# Altium PCB FX_PCB.PcbDoc (part 5 of 7)
Units mil, origin at the board's own origin, x right, y up, seen from the top; angles counter-clockwise.
Board outline 5533 x 3907 mil, 2 copper layers (Top Layer, Bottom Layer); 117 components, 100 nets, 439 pads, 176 vias.
Unrouted connection lines stored in the file: 106.
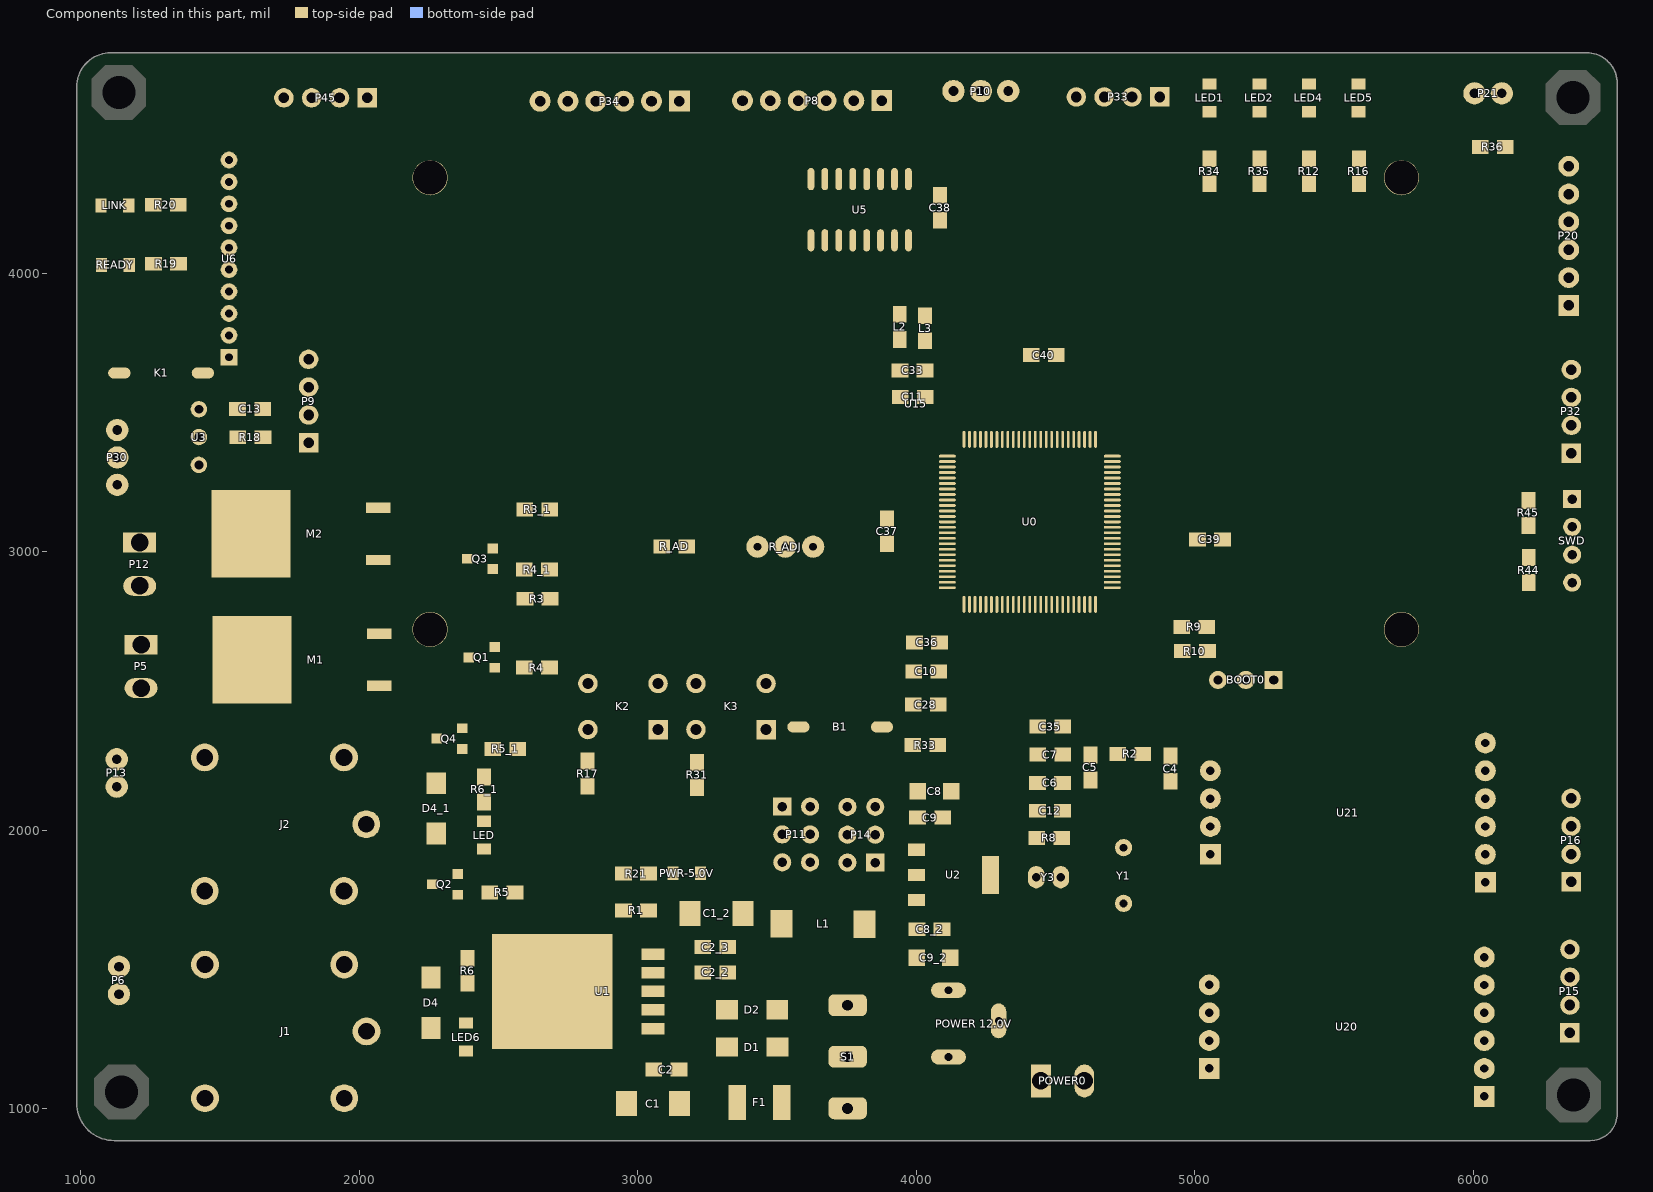
[diagram p5: the components of this part, seen from the top]

## Via types
v1: diameter 30, hole 15, Top Layer to Bottom Layer, 104 vias
v2: diameter 40, hole 18, Top Layer to Bottom Layer, 62 vias
v3: diameter 50, hole 28, Top Layer to Bottom Layer, 7 vias
v4: diameter 50, hole 23, Top Layer to Bottom Layer, 3 vias

## Nets (pads, with @x,y where several pads share a name; then routed paths per layer and width w, separated by ;. In a path a pad name is that pad's centre, name@x,y a point inside that pad or via, vN(x,y) a via of type N, cw(c..) or ccw(c..) an arc to the next point about the centre after c; other vN are vias at no path point) (continued)
copper on no net: (continued)
  Top Layer w0.85: 3174.7,3604.75 3179.8,3604.75 ; 3174.7,3624.3 3178.95,3624.3 ; 3174.7,3660 3178.95,3660 ; 3174.7,3688.9 3180.65,3688.9 ; 3174.7,3689.75 3179.8,3689.75 ; 3174.7,3731.4 3179.8,3731.4 ; 3175.55,3558.85 3180.65,3558.85 ; 3175.55,3559.7 3181.5,3559.7 ; 3175.55,3605.6 3180.65,3605.6 ; 3175.55,3606.45 3180.65,3606.45 ; 3175.55,3622.6 3179.8,3622.6 ; 3175.55,3623.45 3179.8,3623.45 ; 3175.55,3658.3 3179.8,3658.3 ; 3175.55,3659.15 3178.95,3659.15 ; 3175.55,3688.05 3181.5,3688.05 ; 3175.55,3729.7 3180.65,3729.7 ; 3175.55,3730.55 3179.8,3730.55 ; 3176.4,3560.55 3181.5,3560.55 ; 3176.4,3607.3 3181.5,3607.3 ; 3176.4,3608.15 3182.35,3608.15 ; 3176.4,3621.75 3180.65,3621.75 ; 3176.4,3657.45 3180.65,3657.45 ; 3176.4,3686.35 3182.35,3686.35 ; 3176.4,3687.2 3181.5,3687.2 ; 3176.4,3728 3181.5,3728 ; 3176.4,3728.85 3180.65,3728.85 ; 3177.25,3561.4 3182.35,3561.4 ; 3177.25,3562.25 3183.2,3562.25 ; 3177.25,3609 3182.35,3609 ; 3177.25,3620.05 3181.5,3620.05 ; 3177.25,3620.9 3180.65,3620.9 ; 3177.25,3655.75 3181.5,3655.75 ; 3177.25,3656.6 3180.65,3656.6 ; 3177.25,3684.65 3183.2,3684.65 ; 3177.25,3685.5 3182.35,3685.5 ; 3177.25,3726.3 3182.35,3726.3 ; 3177.25,3727.15 3182.35,3727.15 ; 3178.1,3563.1 3183.2,3563.1 ; 3178.1,3563.95 3184.05,3563.95 ; 3178.1,3609.85 3183.2,3609.85 ; 3178.1,3610.7 3187.45,3610.7 ; 3178.1,3618.35 3182.35,3618.35 ; 3178.1,3619.2 3182.35,3619.2 ; 3178.1,3654.05 3182.35,3654.05 ; 3178.1,3654.9 3182.35,3654.9 ; 3178.1,3683.8 3183.2,3683.8 ; 3178.1,3725.45 3183.2,3725.45 ; 3178.95,3564.8 3184.05,3564.8 ; 3178.95,3565.65 3184.9,3565.65 ; 3178.95,3611.55 3186.6,3611.55 ; 3178.95,3612.4 3185.75,3612.4 ; 3178.95,3617.5 3183.2,3617.5 ; 3178.95,3653.2 3183.2,3653.2 ; 3178.95,3682.1 3184.9,3682.1 ; 3178.95,3682.95 3184.05,3682.95 ; 3178.95,3723.75 3184.05,3723.75 ; 3178.95,3724.6 3183.2,3724.6 ; 3179.8,3566.5 3185.75,3566.5 ; 3179.8,3613.25 3185.75,3613.25 ; 3179.8,3615.8 3184.05,3615.8 ; 3179.8,3616.65 3183.2,3616.65 ; 3179.8,3651.5 3184.05,3651.5 ; 3179.8,3652.35 3183.2,3652.35 ; 3179.8,3679.55 3185.75,3679.55 ; 3179.8,3680.4 3185.75,3680.4 ; 3179.8,3681.25 3184.9,3681.25 ; 3179.8,3722.05 3184.9,3722.05 ; 3179.8,3722.9 3184.05,3722.9 ; 3180.65,3567.35 3185.75,3567.35 ; 3180.65,3568.2 3186.6,3568.2 ; 3180.65,3614.1 3184.9,3614.1 ; 3180.65,3614.95 3184.9,3614.95 ; 3180.65,3649.8 3184.9,3649.8 ; 3180.65,3650.65 3184.9,3650.65 ; 3180.65,3677.85 3181.5,3677.85 ; 3180.65,3678.7 3186.6,3678.7 ; 3180.65,3720.35 3185.75,3720.35 ; 3180.65,3721.2 3185.75,3721.2 ; 3181.5,3569.05 3187.45,3569.05 ; 3181.5,3569.9 3187.45,3569.9 ; 3181.5,3648.95 3185.75,3648.95 ; 3181.5,3719.5 3186.6,3719.5 ; 3182.35,3570.75 3188.3,3570.75 ; 3182.35,3571.6 3188.3,3571.6 ; 3182.35,3647.25 3186.6,3647.25 ; 3182.35,3648.1 3186.6,3648.1 ; 3182.35,3676.15 3188.3,3676.15 ; 3182.35,3677 3187.45,3677 ; 3182.35,3677.85 3186.6,3677.85 ; 3182.35,3717.8 3187.45,3717.8 ; 3182.35,3718.65 3186.6,3718.65 ; 3183.2,3572.45 3189.15,3572.45 ; 3183.2,3645.55 3187.45,3645.55 ; 3183.2,3646.4 3187.45,3646.4 ; 3183.2,3674.45 3189.15,3674.45 ; 3183.2,3675.3 3188.3,3675.3 ; 3183.2,3716.1 3188.3,3716.1 ; 3183.2,3716.95 3187.45,3716.95 ; 3184.05,3573.3 3190,3573.3 ; 3184.05,3574.15 3190,3574.15 ; 3184.05,3609 3188.3,3609 ; 3184.05,3609.85 3187.45,3609.85 ; 3184.05,3644.7 3188.3,3644.7 ; 3184.05,3672.75 3190,3672.75 ; 3184.05,3673.6 3189.15,3673.6 ; 3184.05,3714.4 3189.15,3714.4 ; 3184.05,3715.25 3189.15,3715.25 ; 3184.9,3575 3190.85,3575 ; 3184.9,3575.85 3190.85,3575.85 ; 3184.9,3607.3 3189.15,3607.3 ; 3184.9,3608.15 3189.15,3608.15 ; 3184.9,3643 3189.15,3643 ; 3184.9,3643.85 3189.15,3643.85 ; 3184.9,3671.9 3190,3671.9 ; 3184.9,3713.55 3190,3713.55 ; 3185.75,3576.7 3191.7,3576.7 ; 3185.75,3606.45 3190,3606.45 ; 3185.75,3641.3 3190,3641.3 ; 3185.75,3642.15 3190,3642.15 ; 3185.75,3670.2 3191.7,3670.2 ; 3185.75,3671.05 3190.85,3671.05 ; 3185.75,3711.85 3190.85,3711.85 ; 3185.75,3712.7 3190,3712.7 ; 3186.6,3577.55 3192.55,3577.55 ; 3186.6,3578.4 3192.55,3578.4 ; 3186.6,3604.75 3190.85,3604.75 ; 3186.6,3605.6 3190,3605.6 ; 3186.6,3640.45 3190.85,3640.45 ; 3186.6,3668.5 3192.55,3668.5 ; 3186.6,3669.35 3191.7,3669.35 ; 3186.6,3710.15 3191.7,3710.15 ; 3186.6,3711 3190.85,3711 ; 3187.45,3579.25 3193.4,3579.25 ; 3187.45,3580.1 3193.4,3580.1 ; 3187.45,3603.9 3191.7,3603.9 ; 3187.45,3638.75 3191.7,3638.75 ; 3187.45,3639.6 3191.7,3639.6 ; 3187.45,3666.8 3193.4,3666.8 ; 3187.45,3667.65 3192.55,3667.65 ; 3187.45,3708.45 3192.55,3708.45 ; 3187.45,3709.3 3192.55,3709.3 ; 3188.3,3580.95 3194.25,3580.95 ; 3188.3,3602.2 3192.55,3602.2 ; 3188.3,3603.05 3191.7,3603.05 ; 3188.3,3637.9 3192.55,3637.9 ; 3188.3,3665.95 3193.4,3665.95 ; 3188.3,3707.6 3193.4,3707.6 ; 3189.15,3582.65 3195.1,3582.65 ; 3189.15,3600.5 3193.4,3600.5 ; 3189.15,3601.35 3193.4,3601.35 ; 3189.15,3636.2 3193.4,3636.2 ; 3189.15,3637.05 3192.55,3637.05 ; 3189.15,3664.25 3195.1,3664.25 ; 3189.15,3665.1 3194.25,3665.1 ; 3189.15,3705.9 3194.25,3705.9 ; 3189.15,3706.75 3193.4,3706.75 ; 3190,3581.8 3195.1,3581.8 ; 3190,3583.5 3195.95,3583.5 ; 3190,3584.35 3195.95,3584.35 ; 3190,3599.65 3194.25,3599.65 ; 3190,3634.5 3195.95,3634.5 ; 3190,3635.35 3194.25,3635.35 ; 3190,3662.55 3195.95,3662.55 ; 3190,3663.4 3195.1,3663.4 ; 3190,3704.2 3199.35,3704.2 ; 3190,3705.05 3194.25,3705.05 ; 3190.85,3585.2 3196.8,3585.2 ; 3190.85,3586.05 3197.65,3586.05 ; 3190.85,3597.95 3195.1,3597.95 ; 3190.85,3598.8 3194.25,3598.8 ; 3190.85,3633.65 3196.8,3633.65 ; 3190.85,3660.85 3196.8,3660.85 ; 3190.85,3702.5 3198.5,3702.5 ; 3190.85,3703.35 3198.5,3703.35 ; 3191.7,3586.9 3201.9,3586.9 ; 3191.7,3587.75 3201.05,3587.75 ; 3191.7,3596.25 3195.95,3596.25 ; 3191.7,3597.1 3195.95,3597.1 ; 3191.7,3631.95 3195.95,3631.95 ; 3191.7,3632.8 3195.95,3632.8 ; 3191.7,3659.15 3197.65,3659.15 ; 3191.7,3660 3196.8,3660 ; 3191.7,3661.7 3195.95,3661.7 ; 3191.7,3701.65 3197.65,3701.65 ; 3192.55,3595.4 3196.8,3595.4 ; 3192.55,3630.25 3196.8,3630.25 ; 3192.55,3631.1 3196.8,3631.1 ; 3192.55,3658.3 3198.5,3658.3 ; 3192.55,3699.95 3197.65,3699.95 ; 3192.55,3700.8 3196.8,3700.8 ; 3193.4,3588.6 3201.05,3588.6 ; 3193.4,3590.3 3199.35,3590.3 ; 3193.4,3593.7 3197.65,3593.7 ; 3193.4,3594.55 3196.8,3594.55 ; 3193.4,3629.4 3197.65,3629.4 ; 3193.4,3637.05 3198.5,3637.05 ; 3193.4,3637.9 3199.35,3637.9 ; 3193.4,3638.75 3199.35,3638.75 ; 3193.4,3656.6 3199.35,3656.6 ; 3193.4,3657.45 3198.5,3657.45 ; 3193.4,3698.25 3198.5,3698.25 ; 3193.4,3699.1 3197.65,3699.1 ; 3194.25,3589.45 3200.2,3589.45 ; 3194.25,3591.15 3199.35,3591.15 ; 3194.25,3592 3198.5,3592 ; 3194.25,3592.85 3198.5,3592.85 ; 3194.25,3627.7 3198.5,3627.7 ; 3194.25,3628.55 3198.5,3628.55 ; 3194.25,3636.2 3197.65,3636.2 ; 3194.25,3639.6 3200.2,3639.6 ; 3194.25,3696.55 3199.35,3696.55 ; 3194.25,3697.4 3199.35,3697.4 ; 3195.1,3626.85 3199.35,3626.85 ; 3195.1,3640.45 3200.2,3640.45 ; 3195.1,3641.3 3201.05,3641.3 ; 3195.1,3654.05 3201.05,3654.05 ; 3195.1,3654.9 3200.2,3654.9 ; 3195.1,3655.75 3199.35,3655.75 ; 3195.1,3695.7 3200.2,3695.7 ; 3195.95,3625.15 3200.2,3625.15 ; 3195.95,3626 3199.35,3626 ; 3195.95,3635.35 3197.65,3635.35 ; 3195.95,3642.15 3201.9,3642.15 ; 3195.95,3652.35 3201.9,3652.35 ; 3195.95,3653.2 3201.05,3653.2 ; 3195.95,3694 3201.05,3694 ; 3195.95,3694.85 3200.2,3694.85 ; 3195.95,3705.05 3199.35,3705.05 ; 3195.95,3705.9 3200.2,3705.9 ; 3196.8,3623.45 3201.05,3623.45 ; 3196.8,3624.3 3201.05,3624.3 ; 3196.8,3634.5 3197.65,3634.5 ; 3196.8,3643 3201.9,3643 ; 3196.8,3651.5 3201.9,3651.5 ; 3196.8,3692.3 3201.9,3692.3 ; 3196.8,3693.15 3201.05,3693.15 ; 3196.8,3706.75 3200.2,3706.75 ; 3197.65,3622.6 3201.9,3622.6 ; 3197.65,3643.85 3202.75,3643.85 ; 3197.65,3644.7 3202.75,3644.7 ; 3197.65,3649.8 3202.75,3649.8 ; 3197.65,3650.65 3202.75,3650.65 ; 3197.65,3690.6 3202.75,3690.6 ; 3197.65,3691.45 3202.75,3691.45 ; 3197.65,3707.6 3201.05,3707.6 ; 3197.65,3708.45 3201.9,3708.45 ; 3198.5,3585.2 3202.75,3585.2 ; 3198.5,3586.05 3202.75,3586.05 ; 3198.5,3620.9 3202.75,3620.9 ; 3198.5,3621.75 3202.75,3621.75 ; 3198.5,3645.55 3203.6,3645.55 ; 3198.5,3648.1 3204.45,3648.1 ; 3198.5,3648.95 3203.6,3648.95 ; 3198.5,3689.75 3203.6,3689.75 ; 3198.5,3709.3 3201.9,3709.3 ; 3198.5,3710.15 3202.75,3710.15 ; 3199.35,3584.35 3203.6,3584.35 ; 3199.35,3620.05 3203.6,3620.05 ; 3199.35,3646.4 3204.45,3646.4 ; 3199.35,3647.25 3204.45,3647.25 ; 3199.35,3688.05 3204.45,3688.05 ; 3199.35,3688.9 3203.6,3688.9 ; 3199.35,3711 3203.6,3711 ; 3200.2,3582.65 3204.45,3582.65 ; 3200.2,3583.5 3203.6,3583.5 ; 3200.2,3618.35 3204.45,3618.35 ; 3200.2,3619.2 3203.6,3619.2 ; 3200.2,3686.35 3205.3,3686.35 ; 3200.2,3687.2 3204.45,3687.2 ; 3200.2,3711.85 3203.6,3711.85 ; 3200.2,3712.7 3204.45,3712.7 ; 3201.05,3580.95 3205.3,3580.95 ; 3201.05,3581.8 3204.45,3581.8 ; 3201.05,3616.65 3205.3,3616.65 ; 3201.05,3617.5 3205.3,3617.5 ; 3201.05,3684.65 3208.7,3684.65 ; 3201.05,3685.5 3209.55,3685.5 ; 3201.05,3713.55 3205.3,3713.55 ; 3201.05,3714.4 3205.3,3714.4 ; 3201.9,3580.1 3206.15,3580.1 ; 3201.9,3615.8 3206.15,3615.8 ; 3201.9,3683.8 3208.7,3683.8 ; 3201.9,3715.25 3206.15,3715.25 ; 3202.75,3578.4 3207,3578.4 ; 3202.75,3579.25 3206.15,3579.25 ; 3202.75,3614.1 3214.65,3614.1 ; 3202.75,3614.95 3206.15,3614.95 ; 3202.75,3682.1 3207.85,3682.1 ; 3202.75,3682.95 3207.85,3682.95 ; 3202.75,3716.1 3206.15,3716.1 ; 3202.75,3716.95 3207,3716.95 ; 3203.6,3577.55 3207.85,3577.55 ; 3203.6,3612.4 3213.8,3612.4 ; 3203.6,3613.25 3207.85,3613.25 ; 3203.6,3680.4 3208.7,3680.4 ; 3203.6,3681.25 3207.85,3681.25 ; 3203.6,3717.8 3207.85,3717.8 ; 3203.6,3718.65 3207.85,3718.65 ; 3204.45,3575.85 3208.7,3575.85 ; 3204.45,3576.7 3207.85,3576.7 ; 3204.45,3611.55 3213.8,3611.55 ; 3204.45,3678.7 3209.55,3678.7 ; 3204.45,3679.55 3209.55,3679.55 ; 3204.45,3719.5 3208.7,3719.5 ; 3205.3,3574.15 3209.55,3574.15 ; 3205.3,3575 3209.55,3575 ; 3205.3,3609.85 3212.95,3609.85 ; 3205.3,3610.7 3212.95,3610.7 ; 3205.3,3677.85 3210.4,3677.85 ; 3205.3,3720.35 3208.7,3720.35 ; 3205.3,3721.2 3209.55,3721.2 ; 3206.15,3573.3 3210.4,3573.3 ; 3206.15,3608.15 3210.4,3608.15 ; 3206.15,3609 3212.1,3609 ; 3206.15,3676.15 3211.25,3676.15 ; 3206.15,3677 3210.4,3677 ; 3206.15,3686.35 3210.4,3686.35 ; 3206.15,3722.05 3210.4,3722.05 ; 3207,3571.6 3211.25,3571.6 ; 3207,3572.45 3210.4,3572.45 ; 3207,3607.3 3211.25,3607.3 ; 3207,3674.45 3212.1,3674.45 ; 3207,3675.3 3211.25,3675.3 ; 3207,3687.2 3210.4,3687.2 ; 3207,3688.05 3211.25,3688.05 ; 3207,3722.9 3210.4,3722.9 ; 3207,3723.75 3211.25,3723.75 ; 3207.85,3569.9 3212.1,3569.9 ; 3207.85,3570.75 3212.1,3570.75 ; 3207.85,3605.6 3212.1,3605.6 ; 3207.85,3606.45 3212.1,3606.45 ; 3207.85,3614.95 3215.5,3614.95 ; 3207.85,3615.8 3208.7,3615.8 ; 3207.85,3672.75 3212.95,3672.75 ; 3207.85,3673.6 3212.95,3673.6 ; 3207.85,3688.9 3211.25,3688.9 ; 3207.85,3689.75 3212.1,3689.75 ; 3207.85,3724.6 3211.25,3724.6 ; 3207.85,3725.45 3212.1,3725.45 ; 3208.7,3569.05 3212.95,3569.05 ; 3208.7,3604.75 3212.95,3604.75 ; 3208.7,3613.25 3214.65,3613.25 ; 3208.7,3616.65 3216.35,3616.65 ; 3208.7,3617.5 3216.35,3617.5 ; 3208.7,3671.9 3213.8,3671.9 ; 3208.7,3690.6 3212.95,3690.6 ; 3208.7,3726.3 3212.95,3726.3 ; 3209.55,3567.35 3213.8,3567.35 ; 3209.55,3568.2 3212.95,3568.2 ; 3209.55,3603.05 3213.8,3603.05 ; 3209.55,3603.9 3212.95,3603.9 ; 3209.55,3615.8 3215.5,3615.8 ; 3209.55,3618.35 3217.2,3618.35 ; 3209.55,3670.2 3214.65,3670.2 ; 3209.55,3671.05 3213.8,3671.05 ; 3209.55,3691.45 3212.95,3691.45 ; 3209.55,3692.3 3213.8,3692.3 ; 3209.55,3727.15 3212.95,3727.15 ; 3209.55,3728 3213.8,3728 ; 3210.4,3566.5 3214.65,3566.5 ; 3210.4,3601.35 3214.65,3601.35 ; 3210.4,3602.2 3214.65,3602.2 ; 3210.4,3619.2 3217.2,3619.2 ; 3210.4,3668.5 3215.5,3668.5 ; 3210.4,3669.35 3214.65,3669.35 ; 3210.4,3693.15 3213.8,3693.15 ; 3210.4,3694 3214.65,3694 ; 3210.4,3728.85 3213.8,3728.85 ; 3211.25,3564.8 3215.5,3564.8 ; 3211.25,3565.65 3214.65,3565.65 ; 3211.25,3600.5 3215.5,3600.5 ; 3211.25,3620.05 3218.05,3620.05 ; 3211.25,3620.9 3218.05,3620.9 ; 3211.25,3621.75 3218.9,3621.75 ; 3211.25,3666.8 3216.35,3666.8 ; 3211.25,3667.65 3216.35,3667.65 ; 3211.25,3694.85 3215.5,3694.85 ; 3211.25,3729.7 3214.65,3729.7 ; 3211.25,3730.55 3215.5,3730.55 ; 3212.1,3563.1 3216.35,3563.1 ; 3212.1,3563.95 3216.35,3563.95 ; 3212.1,3598.8 3216.35,3598.8 ; 3212.1,3599.65 3215.5,3599.65 ; 3212.1,3622.6 3218.9,3622.6 ; 3212.1,3665.95 3217.2,3665.95 ; 3212.1,3695.7 3215.5,3695.7 ; 3212.1,3696.55 3216.35,3696.55 ; 3212.1,3731.4 3215.5,3731.4 ; 3212.1,3732.25 3216.35,3732.25 ; 3212.95,3562.25 3217.2,3562.25 ; 3212.95,3597.95 3217.2,3597.95 ; 3212.95,3623.45 3219.75,3623.45 ; 3212.95,3624.3 3214.65,3624.3 ; 3212.95,3664.25 3218.05,3664.25 ; 3212.95,3665.1 3217.2,3665.1 ; 3212.95,3697.4 3216.35,3697.4 ; 3212.95,3698.25 3217.2,3698.25 ; 3212.95,3733.1 3217.2,3733.1 ; 3213.8,3560.55 3218.05,3560.55 ; 3213.8,3561.4 3217.2,3561.4 ; 3213.8,3596.25 3218.05,3596.25 ; 3213.8,3597.1 3217.2,3597.1 ; 3213.8,3626 3220.6,3626 ; 3213.8,3662.55 3218.9,3662.55 ; 3213.8,3663.4 3218.05,3663.4 ; 3213.8,3699.1 3218.05,3699.1 ; 3213.8,3733.95 3217.2,3733.95 ; 3213.8,3734.8 3218.05,3734.8 ; 3214.65,3559.7 3218.9,3559.7 ; 3214.65,3594.55 3218.9,3594.55 ; 3214.65,3595.4 3218.05,3595.4 ; 3214.65,3625.15 3220.6,3625.15 ; 3214.65,3626.85 3221.45,3626.85 ; 3214.65,3660.85 3219.75,3660.85 ; 3214.65,3661.7 3219.75,3661.7 ; 3214.65,3699.95 3218.05,3699.95 ; 3214.65,3700.8 3218.9,3700.8 ; 3214.65,3735.65 3218.05,3735.65 ; 3214.65,3736.5 3218.9,3736.5 ; 3215.5,3558 3219.75,3558 ; 3215.5,3558.85 3218.9,3558.85 ; 3215.5,3593.7 3219.75,3593.7 ; 3215.5,3624.3 3219.75,3624.3 ; 3215.5,3627.7 3221.45,3627.7 ; 3215.5,3628.55 3222.3,3628.55 ; 3215.5,3660 3220.6,3660 ; 3215.5,3701.65 3219.75,3701.65 ; 3215.5,3737.35 3219.75,3737.35 ; 3216.35,3556.3 3220.6,3556.3 ; 3216.35,3557.15 3220.6,3557.15 ; 3216.35,3592 3220.6,3592 ; 3216.35,3592.85 3219.75,3592.85 ; 3216.35,3629.4 3222.3,3629.4 ; 3216.35,3630.25 3223.15,3630.25 ; 3216.35,3658.3 3221.45,3658.3 ; 3216.35,3659.15 3220.6,3659.15 ; 3216.35,3702.5 3219.75,3702.5 ; 3216.35,3703.35 3220.6,3703.35 ; 3216.35,3738.2 3219.75,3738.2 ; 3216.35,3739.05 3220.6,3739.05 ; 3217.2,3555.45 3221.45,3555.45 ; 3217.2,3590.3 3221.45,3590.3 ; 3217.2,3591.15 3221.45,3591.15 ; 3217.2,3631.1 3218.05,3631.1 ; 3217.2,3631.95 3224,3631.95 ; 3217.2,3656.6 3222.3,3656.6 ; 3217.2,3657.45 3221.45,3657.45 ; 3217.2,3704.2 3220.6,3704.2 ; 3217.2,3705.05 3221.45,3705.05 ; 3217.2,3739.9 3221.45,3739.9 ; 3218.05,3553.75 3222.3,3553.75 ; 3218.05,3554.6 3221.45,3554.6 ; 3218.05,3589.45 3222.3,3589.45 ; 3218.05,3632.8 3224,3632.8 ; 3218.05,3655.75 3223.15,3655.75 ; 3218.05,3705.9 3222.3,3705.9 ; 3218.05,3740.75 3221.45,3740.75 ; 3218.05,3741.6 3222.3,3741.6 ; 3218.9,3552.05 3223.15,3552.05 ; 3218.9,3552.9 3223.15,3552.9 ; 3218.9,3587.75 3223.15,3587.75 ; 3218.9,3588.6 3223.15,3588.6 ; 3218.9,3631.1 3223.15,3631.1 ; 3218.9,3633.65 3224.85,3633.65 ; 3218.9,3654.05 3224,3654.05 ; 3218.9,3654.9 3223.15,3654.9 ; 3218.9,3706.75 3222.3,3706.75 ; 3218.9,3707.6 3223.15,3707.6 ; 3218.9,3742.45 3222.3,3742.45 ; 3218.9,3743.3 3223.15,3743.3 ; 3219.75,3551.2 3224,3551.2 ; 3219.75,3586.05 3224,3586.05 ; 3219.75,3586.9 3224,3586.9 ; 3219.75,3634.5 3224.85,3634.5 ; 3219.75,3635.35 3225.7,3635.35 ; 3219.75,3636.2 3225.7,3636.2 ; 3219.75,3652.35 3224.85,3652.35 ; 3219.75,3653.2 3224,3653.2 ; 3219.75,3708.45 3223.15,3708.45 ; 3219.75,3744.15 3224,3744.15 ; 3220.6,3549.5 3224.85,3549.5 ; 3220.6,3550.35 3224,3550.35 ; 3220.6,3585.2 3224.85,3585.2 ; 3220.6,3637.05 3226.55,3637.05 ; 3220.6,3637.9 3226.55,3637.9 ; 3220.6,3650.65 3225.7,3650.65 ; 3220.6,3651.5 3225.7,3651.5 ; 3220.6,3709.3 3224,3709.3 ; 3220.6,3710.15 3224.85,3710.15 ; 3220.6,3745 3224,3745 ; 3220.6,3745.85 3224.85,3745.85 ; 3221.45,3547.8 3225.7,3547.8 ; 3221.45,3548.65 3225.7,3548.65 ; 3221.45,3583.5 3225.7,3583.5 ; 3221.45,3584.35 3225.7,3584.35 ; 3221.45,3638.75 3227.4,3638.75 ; 3221.45,3649.8 3226.55,3649.8 ; 3221.45,3711 3224.85,3711 ; 3221.45,3711.85 3225.7,3711.85 ; 3221.45,3746.7 3225.7,3746.7 ; 3221.45,3747.55 3225.7,3747.55 ; 3222.3,3546.95 3226.55,3546.95 ; 3222.3,3582.65 3226.55,3582.65 ; 3222.3,3639.6 3227.4,3639.6 ; 3222.3,3640.45 3228.25,3640.45 ; 3222.3,3648.1 3227.4,3648.1 ; 3222.3,3648.95 3226.55,3648.95 ; 3222.3,3712.7 3226.55,3712.7 ; 3222.3,3748.4 3226.55,3748.4 ; 3223.15,3545.25 3227.4,3545.25 ; 3223.15,3546.1 3227.4,3546.1 ; 3223.15,3580.95 3227.4,3580.95 ; 3223.15,3581.8 3226.55,3581.8 ; 3223.15,3641.3 3228.25,3641.3 ; 3223.15,3642.15 3229.1,3642.15 ; 3223.15,3646.4 3229.1,3646.4 ; 3223.15,3647.25 3227.4,3647.25 ; 3223.15,3713.55 3226.55,3713.55 ; 3223.15,3714.4 3227.4,3714.4 ; 3223.15,3749.25 3226.55,3749.25 ; 3223.15,3750.1 3227.4,3750.1 ; 3224,3544.4 3228.25,3544.4 ; 3224,3580.1 3228.25,3580.1 ; 3224,3643 3229.1,3643 ; 3224,3645.55 3229.95,3645.55 ; 3224,3715.25 3227.4,3715.25 ; 3224,3716.1 3228.25,3716.1 ; 3224,3750.95 3228.25,3750.95 ; 3224.85,3542.7 3229.1,3542.7 ; 3224.85,3543.55 3228.25,3543.55 ; 3224.85,3578.4 3229.1,3578.4 ; 3224.85,3579.25 3228.25,3579.25 ; 3224.85,3643.85 3229.95,3643.85 ; 3224.85,3644.7 3229.95,3644.7 ; 3224.85,3716.95 3229.1,3716.95 ; 3224.85,3751.8 3228.25,3751.8 ; 3224.85,3752.65 3229.1,3752.65 ; 3225.7,3541 3229.95,3541 ; 3225.7,3541.85 3229.95,3541.85 ; 3225.7,3576.7 3229.95,3576.7 ; 3225.7,3577.55 3229.1,3577.55 ; 3225.7,3717.8 3229.1,3717.8 ; 3225.7,3718.65 3229.95,3718.65 ; 3225.7,3753.5 3229.1,3753.5 ; 3225.7,3754.35 3229.95,3754.35 ; 3226.55,3540.15 3230.8,3540.15 ; 3226.55,3575.85 3230.8,3575.85 ; 3226.55,3719.5 3230.8,3719.5 ; 3226.55,3720.35 3230.8,3720.35 ; 3226.55,3755.2 3230.8,3755.2 ; 3227.4,3538.45 3231.65,3538.45 ; 3227.4,3539.3 3230.8,3539.3 ; 3227.4,3574.15 3231.65,3574.15 ; 3227.4,3575 3230.8,3575 ; 3227.4,3721.2 3231.65,3721.2 ; 3227.4,3756.05 3230.8,3756.05 ; 3227.4,3756.9 3231.65,3756.9 ; 3228.25,3537.6 3232.5,3537.6 ; 3228.25,3572.45 3232.5,3572.45 ; 3228.25,3573.3 3232.5,3573.3 ; 3228.25,3722.05 3231.65,3722.05 ; 3228.25,3722.9 3232.5,3722.9 ; 3228.25,3757.75 3232.5,3757.75 ; 3228.25,3758.6 3232.5,3758.6 ; 3229.1,3535.9 3233.35,3535.9 ; 3229.1,3536.75 3232.5,3536.75 ; 3229.1,3571.6 3233.35,3571.6 ; 3229.1,3723.75 3233.35,3723.75 ; 3229.1,3759.45 3233.35,3759.45 ; 3229.95,3535.05 3233.35,3535.05 ; 3229.95,3569.9 3234.2,3569.9 ; 3229.95,3570.75 3233.35,3570.75 ; 3229.95,3724.6 3233.35,3724.6 ; 3229.95,3725.45 3234.2,3725.45 ; 3229.95,3760.3 3233.35,3760.3 ; 3229.95,3761.15 3234.2,3761.15 ; 3230.8,3532.5 3235.05,3532.5 ; 3230.8,3533.35 3235.05,3533.35 ; 3230.8,3534.2 3234.2,3534.2 ; 3230.8,3568.2 3235.05,3568.2 ; 3230.8,3569.05 3235.05,3569.05 ; 3230.8,3726.3 3235.05,3726.3 ; 3230.8,3727.15 3235.05,3727.15 ; 3230.8,3762 3235.05,3762 ; 3231.65,3531.65 3235.9,3531.65 ; 3231.65,3567.35 3235.9,3567.35 ; 3231.65,3728 3235.9,3728 ; 3231.65,3762.85 3235.05,3762.85 ; 3231.65,3763.7 3235.9,3763.7 ; 3232.5,3529.95 3236.75,3529.95 ; 3232.5,3530.8 3236.75,3530.8 ; 3232.5,3565.65 3236.75,3565.65 ; 3232.5,3566.5 3236.75,3566.5 ; 3232.5,3728.85 3235.9,3728.85 ; 3232.5,3729.7 3236.75,3729.7 ; 3232.5,3764.55 3235.9,3764.55 ; 3232.5,3765.4 3236.75,3765.4 ; 3233.35,3528.25 3237.6,3528.25 ; 3233.35,3529.1 3237.6,3529.1 ; 3233.35,3564.8 3237.6,3564.8 ; 3233.35,3730.55 3236.75,3730.55 ; 3233.35,3766.25 3237.6,3766.25 ; 3234.2,3527.4 3238.45,3527.4 ; 3234.2,3563.1 3238.45,3563.1 ; 3234.2,3563.95 3237.6,3563.95 ; 3234.2,3731.4 3237.6,3731.4 ; 3234.2,3732.25 3238.45,3732.25 ; 3234.2,3767.1 3237.6,3767.1 ; 3234.2,3767.95 3238.45,3767.95 ; 3235.05,3525.7 3239.3,3525.7 ; 3235.05,3526.55 3239.3,3526.55 ; 3235.05,3561.4 3239.3,3561.4 ; 3235.05,3562.25 3239.3,3562.25 ; 3235.05,3733.1 3238.45,3733.1 ; 3235.05,3733.95 3239.3,3733.95 ; 3235.05,3768.8 3239.3,3768.8 ; 3235.05,3769.65 3239.3,3769.65 ; 3235.9,3524.85 3240.15,3524.85 ; 3235.9,3560.55 3240.15,3560.55 ; 3235.9,3734.8 3240.15,3734.8 ; 3235.9,3770.5 3240.15,3770.5 ; 3236.75,3558.85 3241,3558.85 ; 3236.75,3559.7 3240.15,3559.7 ; 3236.75,3735.65 3240.15,3735.65 ; 3236.75,3736.5 3241,3736.5 ; 3236.75,3771.35 3240.15,3771.35 ; 3236.75,3772.2 3241,3772.2 ; 3237.6,3557.15 3241.85,3557.15 ; 3237.6,3558 3241.85,3558 ; 3237.6,3737.35 3241.85,3737.35 ; 3237.6,3773.05 3241,3773.05 ; 3238.45,3556.3 3242.7,3556.3 ; 3238.45,3738.2 3241.85,3738.2 ; 3238.45,3739.05 3242.7,3739.05 ; 3238.45,3773.9 3241.85,3773.9 ; 3238.45,3774.75 3242.7,3774.75 ; 3239.3,3554.6 3243.55,3554.6 ; 3239.3,3555.45 3242.7,3555.45 ; 3239.3,3739.9 3242.7,3739.9 ; 3239.3,3740.75 3243.55,3740.75 ; 3239.3,3775.6 3242.7,3775.6 ; 3239.3,3776.45 3243.55,3776.45 ; 3240.15,3552.9 3244.4,3552.9 ; 3240.15,3553.75 3244.4,3553.75 ; 3240.15,3741.6 3244.4,3741.6 ; 3241,3552.05 3245.25,3552.05 ; 3241,3742.45 3244.4,3742.45 ; 3241,3743.3 3245.25,3743.3 ; 3241.85,3550.35 3246.1,3550.35 ; 3241.85,3551.2 3245.25,3551.2 ; 3241.85,3744.15 3245.25,3744.15 ; 3241.85,3745 3246.1,3745 ; 3242.7,3549.5 3246.95,3549.5 ; 3242.7,3745.85 3246.95,3745.85 ; 3243.55,3547.8 3247.8,3547.8 ; 3243.55,3548.65 3246.95,3548.65 ; 3243.55,3746.7 3246.95,3746.7 ; 3243.55,3747.55 3247.8,3747.55 ; 3244.4,3546.1 3248.65,3546.1 ; 3244.4,3546.95 3248.65,3546.95 ; 3244.4,3748.4 3247.8,3748.4 ; 3244.4,3749.25 3248.65,3749.25 ; 3245.25,3545.25 3249.5,3545.25 ; 3245.25,3750.1 3249.5,3750.1 ; 3246.1,3543.55 3250.35,3543.55 ; 3246.1,3544.4 3250.35,3544.4 ; 3246.1,3750.95 3249.5,3750.95 ; 3246.1,3751.8 3250.35,3751.8 ; 3246.95,3541.85 3251.2,3541.85 ; 3246.95,3542.7 3251.2,3542.7 ; 3246.95,3752.65 3251.2,3752.65 ; 3246.95,3753.5 3251.2,3753.5 ; 3247.8,3541 3252.05,3541 ; 3247.8,3754.35 3252.05,3754.35 ; 3248.65,3539.3 3252.9,3539.3 ; 3248.65,3540.15 3252.9,3540.15 ; 3248.65,3755.2 3252.05,3755.2 ; 3248.65,3756.05 3252.9,3756.05 ; 3249.5,3538.45 3253.75,3538.45 ; 3249.5,3756.9 3253.75,3756.9 ; 3250.35,3536.75 3254.6,3536.75 ; 3250.35,3537.6 3253.75,3537.6 ; 3250.35,3757.75 3253.75,3757.75 ; 3250.35,3758.6 3254.6,3758.6 ; 3251.2,3535.05 3255.45,3535.05 ; 3251.2,3535.9 3255.45,3535.9 ; 3251.2,3759.45 3255.45,3759.45 ; 3251.2,3760.3 3255.45,3760.3 ; 3252.05,3534.2 3256.3,3534.2 ; 3252.05,3761.15 3256.3,3761.15 ; 3252.9,3532.5 3257.15,3532.5 ; 3252.9,3533.35 3257.15,3533.35 ; 3252.9,3762 3256.3,3762 ; 3252.9,3762.85 3257.15,3762.85 ; 3253.75,3531.65 3258,3531.65 ; 3253.75,3763.7 3258,3763.7 ; 3253.75,3764.55 3258,3764.55 ; 3254.6,3529.95 3258.85,3529.95 ; 3254.6,3530.8 3258,3530.8 ; 3254.6,3765.4 3258.85,3765.4 ; 3255.45,3528.25 3259.7,3528.25 ; 3255.45,3529.1 3259.7,3529.1 ; 3255.45,3766.25 3258.85,3766.25 ; 3255.45,3767.1 3259.7,3767.1 ; 3256.3,3527.4 3260.55,3527.4 ; 3256.3,3767.95 3260.55,3767.95 ; 3257.15,3525.7 3261.4,3525.7 ; 3257.15,3526.55 3260.55,3526.55 ; 3257.15,3768.8 3260.55,3768.8 ; 3257.15,3769.65 3261.4,3769.65 ; 3258,3524 3262.25,3524 ; 3258,3524.85 3262.25,3524.85 ; 3258,3770.5 3261.4,3770.5 ; 3258,3771.35 3262.25,3771.35 ; 3258.85,3523.15 3263.1,3523.15 ; 3258.85,3772.2 3263.1,3772.2 ; 3259.7,3521.45 3263.95,3521.45 ; 3259.7,3522.3 3263.1,3522.3 ; 3259.7,3773.05 3263.1,3773.05 ; 3259.7,3773.9 3263.95,3773.9 ; 3260.55,3519.75 3264.8,3519.75 ; 3260.55,3520.6 3264.8,3520.6 ; 3260.55,3774.75 3264.8,3774.75 ; 3260.55,3775.6 3264.8,3775.6 ; 3261.4,3518.9 3265.65,3518.9 ; 3261.4,3776.45 3265.65,3776.45 ; 3262.25,3517.2 3266.5,3517.2 ; 3262.25,3518.05 3265.65,3518.05 ; 3262.25,3777.3 3265.65,3777.3 ; 3262.25,3778.15 3266.5,3778.15 ; 3263.1,3516.35 3267.35,3516.35 ; 3263.1,3779 3266.5,3779 ; 3263.95,3514.65 3268.2,3514.65 ; 3263.95,3515.5 3267.35,3515.5 ; 3263.95,3779.85 3267.35,3779.85 ; 3263.95,3780.7 3268.2,3780.7 ; 3264.8,3512.95 3269.05,3512.95 ; 3264.8,3513.8 3269.05,3513.8 ; 3264.8,3781.55 3268.2,3781.55 ; 3264.8,3782.4 3269.05,3782.4 ; 3265.65,3512.1 3269.9,3512.1 ; 3265.65,3783.25 3269.9,3783.25 ; 3266.5,3510.4 3270.75,3510.4 ; 3266.5,3511.25 3270.75,3511.25 ; 3266.5,3784.1 3269.9,3784.1 ; 3266.5,3784.95 3270.75,3784.95 ; 3267.35,3785.8 3271.6,3785.8 ; 3267.35,3786.65 3271.6,3786.65 ; 3268.2,3787.5 3272.45,3787.5 ; 3269.05,3788.35 3272.45,3788.35 ; 3269.05,3789.2 3273.3,3789.2 ; 3269.9,3790.05 3274.15,3790.05 ; 3269.9,3790.9 3274.15,3790.9